# KiCad board VersaSens_HeEx.kicad_pcb (continued)
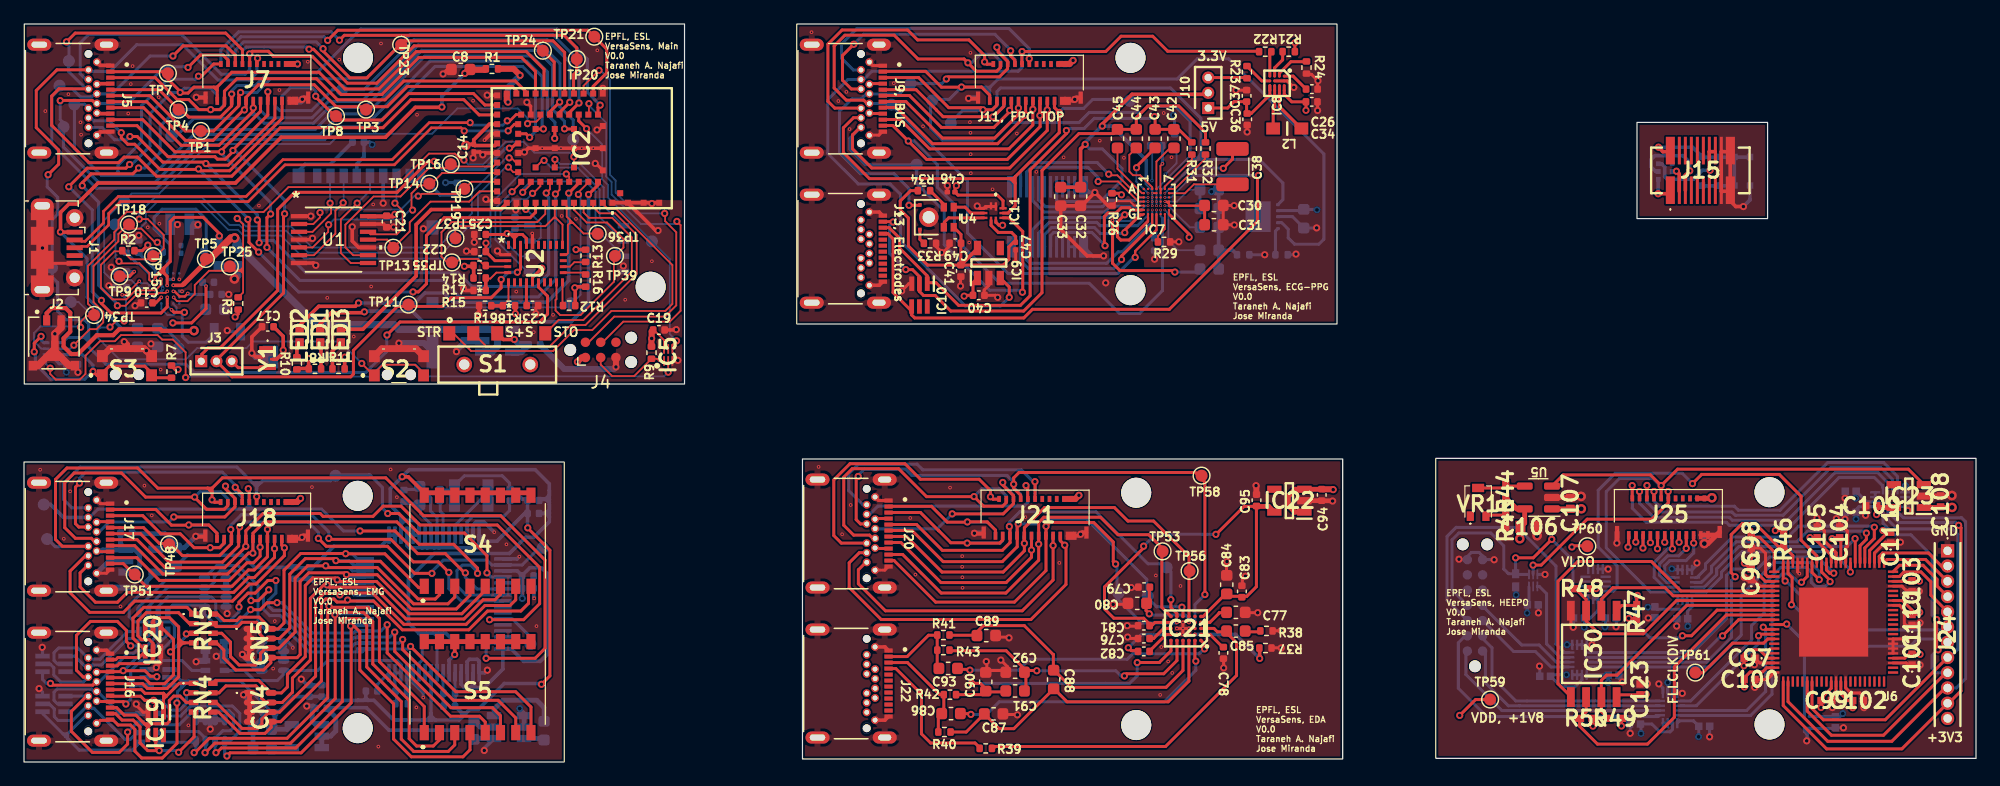
[diagram p0: board, top side]
## Routing (per net, layer and track width the routed paths; a pad name or vN(x,y) marks a point on that pad's centre or on a via; arc(x,y) is an arc through that point) (continued)
/ECG_PPG/LED3: length 15.9
  Top w0.15: 93.62,45.37 93.63,45.38 IC7.G2
  Top w0.2: 93.62,45.37 93.62,45.07 93.56,45
  Top w0.25: 93.56,45 92.05,43.5 91.36,43.5 91.08,43.78 91.08,45.01 91.67,45.61 v2(91.69,45.61)
  Bottom w0.25: v2(91.69,45.61) 91.67,45.58 90.4,45.58 90.19,45.37 85.01,45.37 84.01,44.37 84.01,42.65
/ECG_PPG/LED4: length 11.5
  Bottom w0.15: 93.63,46 93.6,45.97 93.6,45.56 93.17,45.13
  Bottom w0.25: J12.13 84.51,44.08 85.41,44.97 89.35,44.97 89.63,44.7 92.74,44.7 93.17,45.13
  vias: v4(93.63,46.01)
/ECG_PPG/LED5: length 10.4
  Top w0.15: v2(91.69,44.12) 91.74,44.12
  Top w0.25: 91.74,44.12 91.74,44.36 92.99,45.61 93.16,45.61
  Bottom w0.25: v2(91.69,44.12) 91.61,44.04 89.66,44.04 89.16,44.54 85.59,44.54 85.01,43.95 85.01,42.95 J12.11
/ECG_PPG/LED6: length 12.2
  Top w0.15: 93.12,46.01 IC7.F1
  Top w0.25: v2(90.05,43.03) 89.99,43.09 89.99,45.46 90.29,45.76 90.97,45.76 91.4,46.19 92.07,46.19 92.25,46.01 93.12,46.01
  Bottom w0.25: v2(90.05,43.03) 88.94,44.13 85.77,44.13 85.51,43.88 J12.9
/ECG_PPG/MIC_CLK: length 3.9
  Top w0.25: 76.62,44.56 76.66,44.6 76.66,44.99 77.02,45.35 IC11.5
/ECG_PPG/MIC_DATA: length 2.7
  Top w0.25: 77.45,46.24 78.39,46.24 78.88,45.75 IC11.4
/ECG_PPG/PPG Board/PPG_ECG_PD1: length 14.1
  Top w0.3: 137.13,50.86 136.52,50.86 v2(136.15,51.24)
  Bottom w0.3: D1.3 142.48,50.41 143.77,50.41 D1.4 ; D1.8 139.81,48.01 142.46,48.01 142.46,50.18 142.24,50.41 139.82,50.41 138.99,51.24 v2(136.15,51.24)
/ECG_PPG/PPG Board/PPG_LED1: length 2.3
  Top w0.3: 137.13,47.56 136.92,47.36 v2(136.12,47.36)
  Bottom w0.3: 136.11,48.56 136.11,47.36 v2(136.12,47.36)
/ECG_PPG/PPG Board/PPG_LED2: length 2.2
  Top w0.3: v2(137.65,49.24) 137.88,49.01 137.88,47.56
  Bottom w0.3: v2(137.65,49.24) 137.62,49.21 137.26,49.21
/ECG_PPG/PPG Board/PPG_LED3: length 7.4
  Top w0.3: v2(138.75,49.27) 138.39,48.91 J15.3
  Bottom w0.3: v2(138.75,49.27) 138.75,49.97 138.19,50.53 135.86,50.53 135.53,50.21 135.53,49.6 135.93,49.21 LED4.3
/ECG_PPG/PPG Board/PPG_PGND: length 12.1
  Top w0.3: 142.13,47.56 142.13,46.75 142.59,46.29 v2(143.22,46.29) ; 142.13,47.56 141.38,47.56 141.38,50.86 142.13,50.86 ; 142.13,47.56 142.13,50.86 ; 142.13,50.86 142.21,50.94
  Bottom w0.3: v2(143.22,46.29) 143.77,46.84 143.77,47.8
/ECG_PPG/PPG Board/PPG_V_LED: length 7.7
  Top w0.3: 140.88,50.86 140.38,50.86 140.38,49.38 v2(140.45,49.31)
  Bottom w0.3: 136.66,48.79 136.89,48.56 139.06,48.56 139.81,49.31 v2(140.45,49.31) ; 136.12,49.85 136.41,49.85 136.67,49.59 136.67,48.77
/ECG_PPG/Reset: length 21.8
  Top w0.25: v2(83.73,58.62) 83.73,58.61 83.73,58.15
  Bottom w0.25: 83.73,58.16 83.73,58.61 v2(83.73,58.62) 83.73,59.44 82.04,61.14 69.39,61.14 68.1,59.85 68.1,58.65 69.09,57.67 69.67,57.67
/ECG_PPG/SCL: length 95.8
  Top w0.25: v2(78.09,56.25) 79.76,56.25 80.44,55.57 80.44,55.1 ; 78.08,56.24 76.42,56.24 75.1,57.56 71.53,57.56
  Bottom w0.15: 97.13,50.63 97.13,50.53 94.34,47.73 94.34,46.35
  Bottom w0.25: 80.14,56.23 80.43,55.94 ; 80.14,56.23 78.07,56.23 ; 80.14,56.23 80.42,56.23 80.44,56.21 ; 97.13,50.63 97.13,53.41 95.93,54.62 93.57,54.62 93.09,54.13 88.73,54.13 87.89,53.29 82.16,53.29 80.69,51.82 76.5,51.82 75.52,52.8 75.52,55.22 77.07,55.22 v2(78.09,56.25) ; 80.44,56.21 81.15,56.92 96.05,56.92 97.74,58.61 100.33,58.61 108.28,50.67 108.28,43.57 107.86,43.15 105.83,43.15 105.3,43.68 105.3,44.4 104.76,44.95 U3.4 ; 80.44,56.21 J11, FPC TOP.1
  vias: v4(94.33,46.36)
/ECG_PPG/SCLK: length 13.6
  Top w0.25: J9, BUS.A5 74.31,56.03 76,54.34 76,54.33 76.56,53.78 80.71,53.78 v2(80.72,53.77) 80.74,53.77 81.61,54.63 81.61,55.07 J11, FPC TOP.5
  Bottom w0.25: J11, FPC TOP.5 81.64,54.68 80.72,53.77 v2(80.72,53.77)
/ECG_PPG/SDA: length 55.9
  Top w0.25: 81.04,55.09 81.04,54.75 80.64,54.35 v2(79.88,54.35) 79.7,54.53 77.03,54.53 74.52,57.04 71.51,57.04
  Bottom w0.15: 97.36,50.21 97.27,50.21 95,47.94 95,47.94 94.67,47.61 94.67,46.37 v4(94.68,46.36)
  Bottom w0.25: 81.03,55.09 81.03,54.68 80.7,54.35 v2(79.88,54.35) 79.83,54.3 78.2,54.3 77.07,53.18 ; 97.36,50.21 98.18,50.21 ; 98.18,50.21 98.72,50.21 ; 98.18,50.21 97.6,50.21 98.04,50.65 98.04,50.65 98.48,50.21 98.72,50.21 ; 98.18,50.21 98.04,50.35 98.04,53.64 95.5,56.17 81.35,56.17 81.04,55.87 J11, FPC TOP.3 ; 98.72,50.21 102.9,50.21 104.86,48.25 104.86,46.86 U3.1
/ECG_PPG/SDI: length 14
  Top w0.25: 71.51,55.54 73.76,55.54 76.41,52.89 80.79,52.89 82.1,54.19 v2(82.1,54.31) 82.24,54.44 82.24,55.09 J11, FPC TOP.7
  Bottom w0.25: J11, FPC TOP.7 82.24,54.45 v2(82.1,54.31)
/ECG_PPG/SDO: length 15.1
  Top w0.25: 71.51,55.04 73.46,55.04 76.5,52 80.85,52 82.83,53.98 v2(82.83,54.5) 82.84,54.51 82.84,55.1
  Bottom w0.25: v2(82.83,54.5) 82.83,55.09
/ECG_PPG/SKT_ADDR: length 2.3
  Bottom w0.25: R35.1 104.24,44.24 U3.5
/ECG_PPG/Start: length 69.9
  Top w0.25: 83.13,58.17 83.13,58.17 J11, FPC TOP.10 83.12,58.19 83.12,59.19 v2(83.14,59.21) 90.11,59.21 91.38,60.49 94.01,60.49 95.26,59.23 102.84,59.23 102.88,59.2 ; v2(82.07,38.73) 82.07,39.59 IC9.3
  Bottom w0.25: v2(82.07,38.73) 81.34,38 78.41,38 73.01,43.4 73.01,47.31 72.15,48.17 69.49,48.17 66.95,50.71 66.95,55.2 68.63,56.88 J9, BUS.B10 ; 83.13,58.16 83.13,57.89 82.81,57.56 70.64,57.56 69.95,56.88 69.68,56.88 ; v2(83.14,59.21) 83.14,59.21 J11, FPC TOP.10
/ECG_PPG/V_LED: length 39.1
  Top w0.3: v2(88.39,51.47) 88.01,51.09 C32.1 C33.1 ; J10.2 98.52,55.64 92.29,55.64 89.82,53.17 v2(89.82,52.99)
  Bottom w0.15: 93.98,46.36 93.98,47.62 93.48,48.12
  Bottom w0.25: v2(88.39,51.47) 88.77,51.1 89.82,51.1 91.46,49.45 91.46,48.49 89.67,46.7 86.14,46.7 86.01,46.83 J12.8
  Bottom w0.3: v2(88.39,51.47) 88.39,51.63 89.76,52.99 v2(89.82,52.99) 90.64,52.99 93.48,50.16 93.48,48.22 ; 86,47.92 86.5,47.92
  vias: v4(93.98,46.36)
/EDA/CLK: length 24.8
  Top w0.25: 70.18,16.64 70.13,16.64 69.5,16.02 69.5,14.85 71.75,12.6 83.15,12.6 85.72,15.17 v2(85.72,18.04) 85.72,18.89
  Bottom w0.25: 85.72,18.04 85.72,18.85
/EDA/CSB1: length 17.2
  Top w0.25: 83.92,18.89 v2(83.92,17.66) 83.92,17.06 81.81,14.95 76.38,14.95 73.04,18.29 72,18.29
  Bottom w0.25: 83.92,17.67 83.92,18.85
/EDA/CSB2: length 36.4
  Top w0.25: IC21.E6 94.78,12.89 94.78,17.85 93.69,18.94 91.12,18.94 89.67,20.4 84.95,20.4 84.52,19.97 J21.13 ; 72,17.29 73.19,17.29 76.4,14.08 81.78,14.08 84.52,16.82 v2(84.52,18.16) 84.52,18.89
  Bottom w0.25: 84.52,18.16 84.52,18.85
/EDA/Data: length 29.4
  Top w0.25: 86.32,18.89 86.32,18.44 v2(86.69,18.07) 86.79,17.97 86.79,14.79 83.87,11.88 71.4,11.88 68.74,14.54 68.74,16.6 69.58,17.44 70.18,17.44
  Bottom w0.25: 86.32,18.85 86.32,18.44 v2(86.69,18.07)
/EDA/EDA_BIN: length 26.9
  Top w0.25: C87.1 78.48,2.5 77.27,2.5 ; 80.05,3.95 81.22,2.78 82.45,2.78 85.74,6.07 85.74,6.16 86.88,5.02 95.3,5.02 97.03,6.75 97.03,10.13 IC21.A3
/EDA/EDA_BIP: length 26.1
  Top w0.25: 77.09,10.56 79.15,10.56 79.31,10.41 79.31,10.76 79.91,11.36 83.32,11.36 85.74,8.95 85.74,8.96 85.74,7.71 87.23,6.22 95.13,6.22 96.54,7.63 IC21.A4
/EDA/EDA_DRVN: length 23.6
  Top w0.25: v2(97.61,8.41) 97.53,8.49 97.53,10.12 IC21.A2 ; 78.11,4.03 78.81,4.03 v2(78.87,3.97)
  Bottom w0.25: v2(78.87,3.97) 80.18,3.97 81.23,5.02 94.98,5.02 97.61,7.64 v2(97.61,8.41)
/EDA/EDA_DRVP: length 22
  Top w0.25: v2(78.79,7.65) 78.73,7.72 77.9,7.72 ; v2(98.33,9.43) 98.33,9.83 IC21.A1
  Bottom w0.25: v2(78.79,7.65) 82.85,7.65 83.76,8.56 91.9,8.56 92.36,9.02 97.89,9.02 98.3,9.43 v2(98.33,9.43)
/EDA/EDA_ECGN: length 25.2
  Top w0.25: IC21.A6 95.54,9.26 94.57,8.29 v2(92.73,8.29) ; 80.2,6.01 79.8,5.61 R42.2 ; 80.2,6.01 79.66,6.55 v2(78.94,6.55) ; 80.2,6.01 80.37,5.84 81.91,5.84
  Bottom w0.25: v2(78.94,6.55) 90.12,6.55 90.12,6.55 92.09,6.55 92.72,7.18 92.72,8.28 v2(92.73,8.29)
/EDA/EDA_ECGP: length 23.8
  Top w0.25: 77.09,9.27 81.81,9.27 83.46,7.62 ; v2(84.36,7.61) 84.34,7.62 83.46,7.62 ; 83.46,7.62 83.46,5.84 ; IC21.A5 96.04,8.45 94.94,7.35 91.84,7.35 v2(91.66,7.18)
  Bottom w0.25: v2(91.66,7.18) 91.38,7.18 90.95,7.61 v2(84.36,7.61)
/EDA/EDA_VCM: length 29
  Top w0.25: 80.72,1.1 80.91,1.29 95.09,1.29 99.83,6.03 99.83,6.04 101,7.21 101,9.95 100.11,10.85 99.41,10.85 99.12,11.13 IC21.C1
/EDA/FCLK: length 37.1
  Top w0.25: 85.43,19.93 v2(85.13,19.64) 85.13,18.86 85.13,18.85 85.13,15.95 82.5,13.32 75.94,13.32 72.47,16.79 72,16.79 ; 85.46,19.96 89.11,19.96 90.73,18.33 90.73,16.69 v2(90.93,16.5)
  Bottom w0.25: v2(90.93,16.5) 91.04,16.39 91.04,13.65 93.11,11.58 95.99,11.58 v1(96.04,11.63) ; 85.13,19.6 85.13,18.87
/EDA/INT1: length 24.3
  Top w0.25: 81.22,21.9 80.71,21.9 v2(80.5,22.11) 80.5,22.62 79.56,23.57 74.67,23.57 73.38,24.86 68.8,24.86 67.45,23.51 67.45,18.87 68.08,18.24 70.18,18.24
  Bottom w0.25: 81.22,21.92 80.71,21.92 80.5,22.12
/EDA/INT2: length 26
  Top w0.25: 81.82,21.9 81.82,21.62 81.51,21.32 79.93,21.32 v2(79.13,22.12) 75.18,22.12 72.85,24.44 68.99,24.44 68.28,23.74 68.28,19.73 69.11,18.91 70.43,18.91 70.7,18.64 70.88,18.64
  Bottom w0.25: 81.82,21.92 81.82,22.19 81.24,22.77 79.78,22.77 v2(79.13,22.12)
/EDA/INT3: length 16.2
  Top w0.25: v2(77.32,20.68) 81.57,20.68 82.41,21.52 82.41,21.92 ; 82.42,21.9 82.42,22.19 81.53,23.08 v2(81.53,23.3)
  Bottom w0.25: 82.42,21.92 82.42,22.25 81.53,23.14 v2(81.53,23.3) ; 70.97,19.43 76.07,19.43 v2(77.32,20.68)
/EDA/INT4: length 50.6
  Top w0.25: v2(98.37,13.95) 98.37,23.32 97.56,24.13 82.89,24.13 82.44,23.68 v2(82.44,23.15) 82.42,23.13 82.42,22.83 83.02,22.23 83.02,21.9 ; 70.18,19.84 69.68,19.84 69.32,20.2 69.32,23.63 v2(69.48,23.8)
  Bottom w0.25: v2(69.48,23.8) 69.48,23.9 69.99,24.41 73.43,24.41 73.95,23.88 81.89,23.88 82.43,23.34 82.43,23.15 82.44,23.14 ; 82.44,23.17 82.44,22.9 83.02,22.31 83.02,21.92 ; v1(97.54,11.63) 97.54,13.12 v2(98.37,13.95)
/EDA/Reset: length 22.7
  Top w0.25: 84.22,21.9 84.22,23.36 v2(84.21,23.37)
  Bottom w0.25: 84.22,22.39 84.22,21.92 ; 70.16,21.43 69.88,21.43 68.69,22.62 68.69,24.01 69.5,24.82 74.39,24.82 74.87,24.35 83.07,24.35 84.23,23.19 84.23,22.37
/EDA/SCL: length 13.3
  Top w0.25: 80.92,18.85 80.92,19.33 80.24,20.01 v2(78.58,20.01) ; 72.01,21.31 75.59,21.31 76.91,19.99 78.56,19.99
  Bottom w0.25: 80.92,18.85 80.92,19.33 80.25,19.99 78.55,19.99
/EDA/SCLK: length 33.4
  Top w0.25: 82.14,19.56 82.14,18.29 81.49,17.64 76.5,17.64 74.35,19.79 72.81,19.79 ; IC21.E5 96.04,12.37 95.53,12.87 v2(95.53,13.53) ; 72,19.79 72.77,19.79
  Bottom w0.25: v2(95.53,13.53) 95.53,15.85 94.87,16.52 93.63,16.52 89.29,20.85 82.95,20.85 82.06,19.96 82.06,19.6 ; 82.12,19.54 82.12,18.85
  vias: v2(82.07,19.62)
/EDA/SDA: length 14.5
  Top w0.25: 81.52,18.84 81.52,18.5 81.27,18.24 v2(78.56,18.24) 78.53,18.27 77.2,18.27 76.2,19.27 76.2,19.27 74.67,20.79 72,20.79
  Bottom w0.25: v2(78.56,18.24) 81.32,18.24 81.52,18.44 81.52,18.85
/EDA/SDI: length 33.8
  Top w0.25: 72,19.29 73.97,19.29 76.56,16.7 81.49,16.7 82.73,17.94 82.73,19.76 v2(82.81,19.84) ; IC21.E4 96.54,12.82 v2(96.45,12.9)
  Bottom w0.25: v2(96.45,12.9) 96.42,12.94 94.34,12.94 93.52,13.75 93.52,15.22 88.48,20.26 84.85,20.26 84.43,19.84 82.81,19.84 82.72,19.75 82.72,18.85
/EDA/SDO: length 36.9
  Top w0.25: 84.66,20.85 85.02,21.21 90.82,21.21 91.95,20.08 94.09,20.08 97.04,17.13 IC21.E3 ; 72,18.79 73.51,18.79 76.47,15.83 81.56,15.83 83.33,17.6 v2(83.33,18.22) 83.33,19.52 84.63,20.82
  Bottom w0.25: 83.32,18.85 83.32,18.22 83.32,18.22
/EDA/Start: length 16.3
  Top w0.25: 83.61,21.92 83.61,21.93 83.61,22.9 v2(83.46,23.04)
  Bottom w0.25: 70.17,20.63 70.43,20.63 71.12,21.32 83.3,21.32 83.62,21.65 83.62,21.91 83.58,21.87 ; 83.62,21.92 83.6,21.93 83.6,22.88
/EMG/BIAS: length 14.9
  Top w0.25: J16.A9 8.29,5.03 v2(8.49,4.83) ; 6.06,5.04 7.13,5.04
  Bottom w0.25: v2(8.49,4.83) 8.89,5.23 8.89,6.43 ; 8.89,6.04 9.25,6.4 9.33,6.4 ; 9.33,6.4 IC15.1 ; 9.33,6.4 8.89,6.84 8.89,6.89 ; 9.33,6.4 9.3,6.43 8.89,6.43 ; 8.89,6.89 8.89,7.6 9.75,8.46 13.16,8.46 13.98,7.63 RN1.1 ; 8.89,6.89 8.89,6.43
/EMG/CLK: length 22.8
  Top w0.25: J17.B2 5.3,16.38 4.67,15.75 4.67,14.59 5.95,13.32 7.79,13.32 8.61,14.14 17.47,14.14 18.7,15.37 19.19,15.37 20.87,17.05 v2(20.87,17.78) 20.87,18.64
  Bottom w0.25: v2(20.87,17.78) 20.87,17.79 20.87,18.6
/EMG/CSB1: length 45.3
  Top w0.25: 19.07,18.64 v2(19.07,17.41) 18.7,17.41 16.96,15.67 11.57,15.67 9.21,18.03 J17.A8 ; J18.11 19.07,19.07 20.01,20.01 31.06,20.01 32.93,18.14 35.79,18.14 37.78,16.16 v2(37.78,15.72)
  Bottom w0.25: IC17.39 36.82,13.92 36.06,14.68 36.06,15.95 36.52,16.4 37.21,16.4 37.78,15.84 v2(37.78,15.72) ; 19.07,18.6 19.07,17.42 v2(19.07,17.41)
/EMG/CSB2: length 16.3
  Top w0.25: 19.66,18.64 v2(19.66,17.9) 19.66,17.15 19.12,16.61 18.57,16.61 17.09,15.13 11.29,15.13 9.39,17.03 J17.A10
  Bottom w0.25: 19.67,18.6 19.67,17.91 v2(19.66,17.9)
/EMG/Data: length 26.7
  Top w0.25: 21.46,18.64 21.46,18.07 v2(21.69,17.84) 21.69,17.2 19.32,14.83 18.79,14.83 17.36,13.41 9.22,13.41 8.28,12.47 5.47,12.47 3.84,14.11 3.84,15.9 5.11,17.18 J17.B3
  Bottom w0.25: 21.47,18.6 21.47,18.06 v2(21.69,17.84)
/EMG/EMG1N: length 13.2
  Top w0.25: J16.A3 7.18,8.02 7.76,8.02 7.94,8.2 10.38,8.2 10.75,8.57 IC20.2 10.75,9.89 10.44,10.2 9.8,10.2 9.49,10.51 9.49,11.75 10.19,12.45 12.86,12.45 13.78,11.53 RN5.2
/EMG/EMG1NI: length 30.3
  Top w0.25: 34.61,14.53 34.61,13.96 34.62,13.95 34.26,13.58 32.83,13.58 29.68,16.73 26.03,16.73 v2(25.98,16.78) 25.81,16.95 23.43,16.95 22.14,15.66 22.14,11.15 21.28,10.29 CN5.7 20.5,10.23 20.07,10.23 19.66,10.65 19.66,11.35 19.37,11.64 18.17,11.64 17.82,11.29 15.99,11.29 RN5.7
  Bottom w0.25: v2(25.98,16.78) 27.08,16.78 27.45,16.42 IC17.15
/EMG/EMG1P: length 12.1
  Top w0.25: RN5.1 13.58,12.89 9.98,12.89 9.08,11.99 9.08,10.32 10.1,9.31 IC20.1 9.59,8.71 7.82,8.71 7.64,8.53 J16.A2
/EMG/EMG1PI: length 26.5
  Top w0.25: 33.34,14.53 32.88,14.53 30.06,17.35 26.8,17.35 v2(26.8,17.36) 26.78,17.37 23.05,17.37 21.66,15.98 21.66,11.58 21.17,11.09 CN5.8 19.58,12.07 18,12.07 17.72,11.79 16.66,11.79 16.12,12.33 RN5.8
  Bottom w0.25: IC17.16 27.78,16.92 27.34,17.36 v2(26.8,17.36)
/EMG/EMG2N: length 16.4
  Top w0.25: 12.88,9.58 12.88,7.09 11.92,6.13 10.28,6.13 9.88,6.53 7.17,6.53 J16.A6 ; 12.88,9.58 12.88,9.9 ; 12.88,9.58 13.24,9.93 ; 12.88,9.9 12.88,10.6 ; 12.88,9.9 12.91,9.93 13.24,9.93 ; 13.24,9.93 13.39,9.93 ; IC20.5 10.75,11.78 11,12.03 12.12,12.03 12.88,11.26 12.88,10.27 13.22,9.93 13.39,9.93 ; 13.39,9.93 RN5.4
/EMG/EMG2NI: length 33.9
  Top w0.25: RN5.5 16.04,9.93 16.65,9.32 16.65,8.66 17.64,7.67 19.96,7.67 20.56,8.27 CN5.5 22.74,8.69 23,8.96 23,10.18 23,10.19 23,15.04 23.72,15.77 26.71,15.77 v2(26.86,15.62) 26.87,15.61 29.42,15.61 32.27,12.76 36.01,12.76 37.15,13.89 37.15,14.53
  Bottom w0.25: IC17.13 27.06,15.42 v2(26.86,15.62)
/EMG/EMG2P: length 13.2
  Top w0.25: 12.44,9.4 12.44,7.26 11.71,6.53 10.5,6.53 10,7.03 J16.A5 ; 12.44,9.4 12.22,9.18 v2(12.2,9.18) ; 12.44,9.4 12.44,10.22 11.55,11.12 IC20.4 ; v2(13.52,10.68) 14.09,10.68 RN5.3
  Bottom w0.25: v2(12.2,9.18) 13.52,10.5 v2(13.52,10.68)
/EMG/EMG2PI: length 34.1
  Top w0.25: 22.38,10.63 22.58,10.83 22.58,15.3 23.63,16.35 v2(25.14,16.35) 25.28,16.2 29.43,16.2 32.45,13.18 35.31,13.18 35.88,13.75 35.88,14.53 ; 22.38,10.63 21.24,9.49 CN5.6 20.14,9.49 19.69,9.05 19.69,8.5 19.28,8.08 17.92,8.08 17.21,8.79 17.2,8.79 17.2,10 16.46,10.73 RN5.6 ; 22.38,10.63 22.34,10.59
  Bottom w0.25: IC17.14 27.37,15.92 27.1,16.2 25.29,16.2 v2(25.14,16.35)
/EMG/EMG3N: length 9.6
  Top w0.25: J16.A8 7.22,5.48 9.71,5.48 10.06,5.14 v2(10.8,5.14) 10.97,4.97 IC19.2 ; RN4.2 14.11,5.78 v2(13.55,5.78)
  Bottom w0.25: v2(10.8,5.14) 11.39,5.14 12.21,4.32 12.95,4.32 13.55,4.91 v2(13.55,5.78)
/EMG/EMG3NI: length 38.8
  Top w0.25: 39.69,14.53 39.69,13.98 39.23,13.52 38.25,13.52 36.65,11.92 31.82,11.92 29.17,14.57 25.43,14.57 v2(25.24,14.76) 24.97,14.76 23.85,13.64 23.85,8.49 22.36,7 22.36,5.82 21.5,4.96 20.15,4.96 19.78,5.33 19.78,5.88 19.32,6.34 16.82,6.34 16.24,5.76 RN4.7
  Bottom w0.25: v2(25.24,14.76) 25.49,14.51 27.42,14.51 27.51,14.42 IC17.11
/EMG/EMG3P: length 9.5
  Top w0.25: 11.62,5.25 11.62,5.72 11.62,5.72 ; 11.62,5.25 11.87,5.5 ; 11.62,5.25 IC19.1 ; 11.62,5.72 11.84,5.5 11.87,5.5 ; 11.62,5.72 10.08,5.72 9.77,6.03 J16.A7 ; 11.87,5.5 12.93,6.56 RN4.1
/EMG/EMG3PI: length 36
  Top w0.25: RN4.8 15.73,6.57 15.95,6.8 19.54,6.8 20.59,5.76 21.45,5.76 21.94,6.25 21.94,7.3 23.43,8.78 23.43,14.7 24.06,15.34 25.92,15.34 v2(26.09,15.17) 26.22,15.04 29.37,15.04 32.06,12.35 36.47,12.35 38.42,14.31 38.42,14.53
  Bottom w0.25: v2(26.09,15.17) 26.34,14.92 IC17.12
/EMG/EMG4N: length 13.2
  Top w0.25: IC19.5 10.97,1.24 v2(11.26,0.95) 10.31,0.95 9.68,1.58 9.67,1.58 9.67,1.59 9.67,2.92 9.37,3.22 9.09,3.49 8.17,3.49 7.63,4.03 J16.A11 ; RN4.4 14.17,4.12 14.17,2.1 v2(12.88,0.81)
  Bottom w0.25: v2(12.88,0.81) 12.74,0.95 v2(11.26,0.95)
/EMG/EMG4NI: length 40.9
  Top w0.25: 42.23,14.53 42.02,14.33 42.02,13.22 41.38,12.58 38.61,12.58 37.05,11.02 31.52,11.02 29.12,13.42 27.04,13.42 v2(26.96,13.5) 26.79,13.34 26.07,13.34 25.82,13.58 25.13,13.58 24.77,13.23 24.77,6.76 21.37,3.36 CN4.5 20.59,2.9 20.07,2.38 17.98,2.38 16.2,4.16 RN4.5
  Bottom w0.25: IC17.9 27.03,13.42 v2(26.96,13.5) 27,13.5 27.07,13.42
/EMG/EMG4P: length 11.8
  Top w0.25: RN4.3 13.52,4.96 12.99,5.49 12.47,5.49 12.1,5.13 12.1,3.38 11.91,3.19 10.04,3.19 ; J16.A10 7.72,4.53 8.34,3.91 9.32,3.91 10.32,2.9 IC19.4 10.32,2.91 10.6,3.19
/EMG/EMG4PI: length 39.7
  Top w0.25: CN4.6 21.29,4.16 24.29,7.16 24.29,10.81 24.28,10.82 24.28,13.35 24.98,14.04 26.2,14.04 v2(26.31,13.93) 26.47,14.09 29.02,14.09 31.64,11.47 36.83,11.47 38.4,13.04 40.49,13.04 40.96,13.52 40.96,14.53 ; RN4.6 16,4.96 18.16,2.8 19.45,2.8 19.82,3.17 19.82,3.57 20.27,4.02 20.27,4.16
  Bottom w0.25: v2(26.31,13.93) 26.53,13.93 26.68,14.08 27.3,14.08 27.46,13.92 IC17.10
/EMG/EMG5N: length 10.9
  Bottom w0.25: IC18.2 2.11,4.84 2.52,4.42 2.52,3.78 2.84,3.46 4.06,3.46 5.24,4.65 5.49,4.65 5.65,4.48 5.82,4.48 8.41,1.89 8.85,1.89 9.41,2.45 RN3.2
/EMG/EMG5NI: length 45.8
  Top w0.25: v2(15.08,0.78) 15.11,0.78 15.9,1.57 22.21,1.57 25.92,5.29 25.92,12.24 v2(25.89,12.27) 26.1,12.47 28.28,12.47 29.05,11.7 29.05,8.16 32.08,5.13 32.08,1.94 32.7,1.33 34.1,1.33 34.61,1.85 S5.2
  Bottom w0.25: RN3.7 11.6,2.45 11.69,2.53 14.55,2.53 15.12,1.96 CN3.7 15.12,0.81 v2(15.08,0.78) ; v2(25.89,12.27) 25.99,12.36 28.35,12.36 IC17.7
/EMG/EMG5P: length 13.1
  Bottom w0.25: 3.25,2.34 3.62,2.34 ; 3.62,2.34 5.23,3.95 ; 3.62,2.34 3.62,1.97 3.7,1.89 ; 3.62,2.34 3.62,2.3 3.46,2.13 ; 3.46,2.13 3.7,1.89 ; 3.46,2.13 1.6,3.99 1.6,4.05 ; 3.7,1.89 4.6,0.99 9.02,0.99 RN3.1
/EMG/EMG5PI: length 43.5
  Top w0.25: v2(14.17,0.78) 14.24,0.78 15.44,1.98 21.91,1.98 25.29,5.36 25.29,12.87 v2(25.4,12.98) 25.49,12.89 28.68,12.89 29.6,11.97 29.6,8.36 33.34,4.63 33.34,2.45
  Bottom w0.25: v2(25.4,12.98) 25.52,12.86 28.35,12.86 IC17.8 ; v2(14.17,0.78) 14.32,0.92 CN3.8 14.24,1.65 RN3.8
/EMG/EMG6N: length 9.9
  Bottom w0.25: RN3.4 7.96,4.05 6.16,5.85 5.86,5.85 5.62,6.08 2.77,6.08 2.5,5.82 2.5,5.14 2.8,4.84 IC18.5
/EMG/EMG6NI: length 51.3
  Top w0.25: v2(16.9,0.5) 17.16,0.76 23.08,0.76 27.25,4.93 27.25,11.29 v2(27.21,11.33) 27.49,11.33 27.97,10.85 27.97,7.67 30.79,4.85 30.79,1.91 32.26,0.43 36.56,0.43 37.15,1.02 S5.4
  Bottom w0.25: v2(27.21,11.33) 27.3,11.42 IC17.5 ; RN3.5 11.49,3.83 13.05,3.83 13.89,4.67 17.34,4.67 17.98,4.04 17.98,2.56 17.13,1.72 CN3.5 16.71,0.69 v2(16.9,0.5)
/EMG/EMG6P: length 13.5
  Top w0.25: v2(8.63,2.49) 8.63,2.49 8.63,1.5 7.93,0.8 5.7,0.8 3.94,2.56 3.94,4.22 5.2,5.48 J16.B5
  Bottom w0.25: IC18.4 3.45,5.49 5.28,5.49 5.33,5.45 ; RN3.3 9.65,3.22 9.36,3.22 v2(8.63,2.49)
/EMG/EMG6PI: length 51.2
  Top w0.25: S5.3 35.88,1.42 35.33,0.88 32.46,0.88 31.43,1.91 31.43,5.04 28.55,7.92 28.55,11.4 27.99,11.95 26.67,11.95 v2(26.5,11.78) 26.52,11.77 26.52,5.05 22.64,1.17 16.45,1.17 16.06,0.78 v2(15.99,0.78)
  Bottom w0.25: IC17.6 26.64,11.92 v2(26.5,11.78) ; v2(15.99,0.78) 15.91,0.85 CN3.6 15.91,1.96 16.56,2.61 17.19,2.61 17.44,2.85 17.44,3.92 17.09,4.27 14.09,4.27 12.93,3.1 11.42,3.1 RN3.6
/EMG/EMG7N: length 18.4
  Top w0.25: v2(8.88,9.68) 8.53,10.04 8.53,10.96 7.78,11.72 5.53,11.72 4.37,10.56 4.37,7.65 4.94,7.08 J16.B8
  Bottom w0.25: 5.33,7.05 4.95,6.67 3.06,6.67 2.48,7.24 2.48,7.86 2.17,8.17 IC16.2 ; v2(8.88,9.68) 10.24,9.68 11.17,10.62 RN2.2
/EMG/EMG7NI: length 42.4
  Top w0.25: v2(20.98,15.13) 20.31,15.13 19.26,14.08 18.66,14.08 17.91,13.32 v2(17.91,12.93) ; v2(30.88,10.83) 30.88,9.21 35.57,4.52 39.02,4.52 39.69,3.86 S5.6
  Bottom w0.25: v2(20.98,15.13) 20.98,14.08 20.36,13.47 20.36,13.01 20.75,12.62 21.56,12.62 24.02,10.15 27.27,10.15 27.47,10.35 28.35,10.35 IC17.3 30.48,10.42 v2(30.88,10.83) ; 11.17,12.49 11.17,12.95 11.99,13.76 15.01,13.76 CN2.6 15.61,13.75 15.97,13.38 15.97,12.17 16.37,11.77 17.16,11.77 17.91,12.52 v2(17.91,12.93)
/EMG/EMG7P: length 13.3
  Top w0.25: 6.05,6.68 6,6.68 5.72,6.4 2.36,6.4 v2(2.21,6.55)
  Bottom w0.25: v2(2.21,6.55) 1.87,6.55 1.55,6.88 IC16.1 ; 6.05,6.68 6.27,6.68 8.65,9.06 9.15,9.06 9.37,9.28 10.63,9.28 11.97,10.63 RN2.1
/EMG/EMG7PI: length 35.8
  Top w0.25: v2(21.08,13.28) 20.25,13.28 19.66,12.69 18.88,12.69 v2(18.88,12.7) ; S5.5 38.42,3.33 37.94,3.81 35.53,3.81 30.25,9.09 v2(30.25,11.44)
  Bottom w0.25: v2(18.88,12.7) 18.88,12.69 17.53,11.34 16.02,11.34 15.03,12.33 15.03,13.03 15.08,13.07 12.39,13.07 11.97,12.66 RN2.8 ; v2(21.08,13.28) 21.46,13.28 23.99,10.76 27.46,10.76 27.63,10.92 IC17.4 29.73,10.92 v2(30.25,11.44)
/EMG/EMG8N: length 10.4
  Bottom w0.25: J16.B11 5.47,8.56 6.33,8.56 8.63,10.87 9.66,10.87 ; 5.33,8.65 4.47,9.5 2.89,9.5 2.5,9.11 2.5,8.46 2.78,8.17 IC16.5
/EMG/EMG8NI: length 43.8
  Top w0.25: v2(32.2,9.63) 35.97,5.86 40.95,5.86 42.23,4.58 S5.8
  Bottom w0.25: 9.57,12.43 9.57,12.92 11.81,15.16 14.84,15.16 16.05,16.36 17.85,16.36 19.49,14.72 19.49,11.65 20.1,11.04 21.86,11.04 23.73,9.17 28.17,9.17 IC17.1 31.99,9.42 v2(32.2,9.63)
/EMG/EMG8P: length 8.9
  Bottom w0.25: RN2.3 10.37,10.55 9.97,10.15 9.26,10.15 9.12,10.29 8.64,10.29 6.44,8.09 5.72,8.09 5.52,7.88 J16.B10 ; IC16.4 4.23,8.82 5.2,7.85 5.33,7.85
/EMG/EMG8PI: length 42.9
  Top w0.25: v2(20.39,14.35) 20.39,14.32 19.52,13.45 v2(18.91,13.45) ; v2(31.54,10.21) 31.54,9.38 35.77,5.14 39.49,5.14 40.96,3.68 S5.7
  Bottom w0.25: v2(31.54,10.21) 31.25,9.92 IC17.2 28.36,9.87 27.57,9.87 27.36,9.66 23.89,9.66 21.36,12.2 20.47,12.2 19.95,12.71 19.95,13.91 v2(20.39,14.35) ; 10.37,12.42 10.37,12.96 11.97,14.56 15.01,14.56 CN2.7 15.38,14.55 15.85,15.01 15.85,15.43 16.35,15.93 17.63,15.93 18.91,14.66 v2(18.91,13.45)
/EMG/EMG_BIAS: length 20
  Bottom w0.25: RN1.8 18.36,7.63 19.21,6.78 21.1,6.78 21.63,7.31 CN1.8 24.46,7.63 25.28,8.46 31.07,8.46 31.4,8.13 IC17.62 IC17.63 30.9,6.41 30.9,6.4 30.9,5.96 31.03,5.83 31.03,4.72
/EMG/EMG_RLDINV: length 2.7
  Bottom w0.25: 32.05,5.83 32.05,6.18 31.9,6.34 31.9,7.43 IC17.61 ; 32,4.71 32,5.78
/EMG/EMG_WCT: length 2
  Bottom w0.25: IC17.64 29.41,6.44 29.41,5.82
/EMG/FCLK: length 17.9
  Top w0.25: v2(20.28,19.39) 20.28,18.61 J18.15 20.27,17.1 19.18,16.01 18.69,16.01 17.33,14.64 10.15,14.64 8.27,16.53 J17.A11
  Bottom w0.25: 20.29,19.35 20.29,18.62
/EMG/INT1: length 75.1
  Top w0.25: J17.B5 3.19,17.98 2.62,18.55 2.62,23.55 3.58,24.5 9.47,24.5 11.15,22.82 15.28,22.82 ; 15.66,22.46 v2(15.66,21.85) 15.87,21.64 16.38,21.64 ; 15.66,22.46 15.31,22.82 15.28,22.82 ; 15.66,22.46 15.66,22.82 ; 15.28,22.82 15.66,22.82 ; 15.66,22.82 16.53,23.68 30.13,23.68 33.28,20.53 39.7,20.53 43.4,16.83 43.4,9.47 42.57,8.64 v2(38.49,8.64)
  Bottom w0.25: 1.84,18.7 2.6,17.94 5.31,17.94 J17.B5 ; v2(38.49,8.64) 38.49,9.61 38.81,9.92 IC17.47 ; 16.37,21.67 15.86,21.67 15.66,21.87
/EMG/INT2: length 25.9
  Top w0.25: 6.05,18.38 5.87,18.38 5.6,18.65 4.28,18.65 3.4,19.53 3.4,23.29 4.19,24.08 8.12,24.08 10.13,22.08 v2(14.21,22.08) 14.21,22.05 15.2,21.06 16.67,21.06 16.98,21.36 16.98,21.64
  Bottom w0.25: v2(14.21,22.08) 14.66,22.52 16.39,22.52 16.97,21.94 16.97,21.67
/EMG/INT3: length 15.9
  Top w0.25: 17.58,21.64 17.58,21.96 16.78,22.76 ; v2(12.48,20.42) 16.73,20.42 17.57,21.27 J18.6
  Bottom w0.25: v2(12.48,20.42) 12.06,20.01 7.1,20.01 6.27,19.18 6.05,19.18 ; 17.57,21.67 17.57,22 16.78,22.79 v2(16.78,22.99)
/EMG/INT4: length 21.9
  Top w0.25: 18.18,21.64 18.18,22.31 v2(17.6,22.89) ; v2(4.62,23.25) 4.28,22.91 4.28,19.86 4.57,19.58 J17.B8
  Bottom w0.25: v2(4.62,23.25) 4.62,23.64 5.14,24.16 16.52,24.16 17.58,23.09 17.58,22.91 v2(17.6,22.89) ; 17.59,22.92 17.59,22.65 18.17,22.06 18.17,21.67
/EMG/Reset: length 50.3
  Top w0.25: v2(38.56,15.76) 38.56,17.2 36.68,19.08 32.86,19.08 31.23,20.71 v2(30.3,20.71) ; 19.38,22.11 19.38,21.64
  Bottom w0.25: v2(30.3,20.71) 29.85,21.16 29.85,22.89 28.79,23.94 26.05,23.94 25.53,23.43 19.87,23.43 19.76,23.32 ; 19.37,22.14 19.37,21.67 ; v2(19.38,22.12) 19.38,22.81 ; 19.38,22.81 19.38,22.94 ; 19.38,22.81 19.38,23.26 19.37,23.27 ; IC17.36 38.91,15.42 v2(38.56,15.76) ; 19.05,23.27 19.37,23.27 ; 19.05,23.27 19.38,22.94 ; 19.05,23.27 17.74,24.59 4.67,24.59 3.29,23.2 3.29,21.89 3.99,21.18 J17.B11 ; 19.37,23.27 19.71,23.27 19.76,23.32 ; 19.76,23.32 19.38,22.94
/EMG/SCL: length 13.3
  Top w0.25: 7.19,21.04 10.98,21.04 12.29,19.74 13.71,19.74 ; J18.1 16.07,19.07 15.39,19.75 v2(13.73,19.75)
  Bottom w0.25: 16.07,18.6 16.07,19.08 15.41,19.74 13.71,19.74
/EMG/SCLK: length 40.8
  Top w0.25: 17.28,19.31 17.28,18.2 16.29,17.2 13.19,17.2 12.18,18.21 11.27,18.21 9.96,19.53 7.98,19.53 ; v2(35.39,15.8) 34.51,16.68 32.44,16.68 30.56,18.55 25.47,18.55 v2(25.39,18.63) ; J17.A5 7.94,19.53